# Altium PCB TimeCard-DC-V1.PcbDoc (part 3 of 3)
Units mil, origin at the board's own origin, x right, y up, seen from the top; angles counter-clockwise.
Board outline 7087.6 x 4375.98 mil, 6 copper layers (TOP, SGND, IN1, IN2, SGND1, BOTTOM), stack 47.2 mil thick; 120 components, 111 nets, 769 pads, 335 vias.
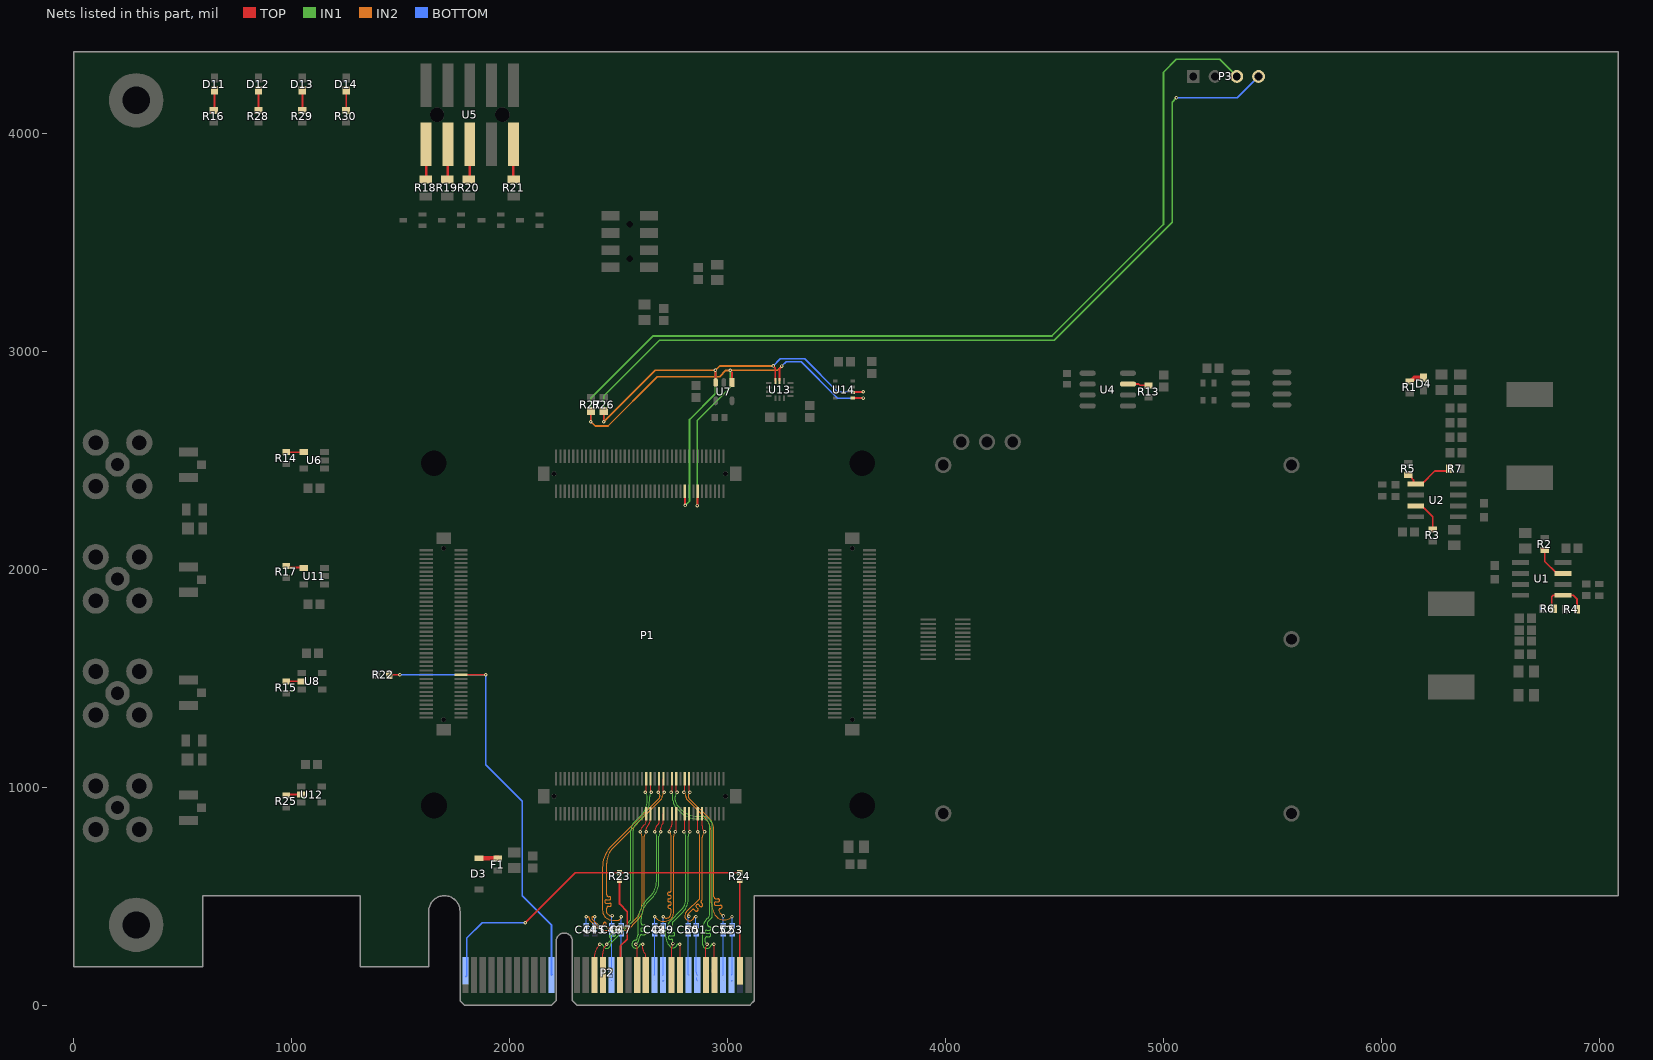
[diagram p7: the nets of this part, all layers, seen from the top]

## Via types
v1: diameter 16, hole 8, TOP to BOTTOM, tented both sides, 328 vias
v2: diameter 200, hole 122, TOP to BOTTOM, 4 vias
v3: diameter 32, hole 16, TOP to BOTTOM, tented both sides, 2 vias
v4: diameter 50, hole 28, TOP to BOTTOM, 1 vias

## Nets (pads, with @x,y where several pads share a name; then routed paths per layer and width w, separated by ;. In a path a pad name is that pad's centre, name@x,y a point inside that pad or via, vN(x,y) a via of type N, cw(c..) or ccw(c..) an arc to the next point about the centre after c; other vN are vias at no path point) (continued)
NetC46_1: C46.1 P2.A16 | length 196
  BOTTOM w5: P2.A16@2466.54,137.8 ccw(c2460.96,143.37) 2468.84,143.37 C46.1@2468.84,329.13 ; P2.A16@2467.33,111.07 ccw(c2463.65,114.73) P2.A16@2468.84,114.73
NetC47_1: C47.1 P2.A17 | length 192.9
  BOTTOM w5: P2.A17@2505.91,137.8 ccw(c2491.57,152.13) 2511.84,152.13 C47.1@2511.84,329.13
NetC48_1: C48.1 P2.A21 | length 193.5
  BOTTOM w5: P2.A21@2663.39,137.8 ccw(c2659.87,141.31) 2664.84,141.31 C48.1@2664.84,329.13 ; P2.A21@2664.17,111.06 ccw(c2662.55,112.68) P2.A21@2664.84,112.68
NetC49_1: C49.1 P2.A22 | length 197.2
  BOTTOM w5: P2.A22@2702.76,137.8 ccw(c2697.72,142.83) 2704.84,142.83 C49.1@2704.84,329.13 ; P2.A22@2703.54,111.06 ccw(c2700.4,114.2) P2.A22@2704.84,114.2
  BOTTOM w8: P2.A22@2703.54,111.06 P2.A22@2704.84,112.36
NetC50_1: C50.1 P2.A25 | length 196.5
  BOTTOM w5: P2.A25@2820.87,137.8 cw(c2823.33,140.26) 2819.84,140.26 C50.1@2819.84,329.13 cw(c2815.47,324.76) C50.1@2821.65,324.76
NetC51_1: C51.1 P2.A26 | length 209.4
  BOTTOM w5: P2.A26@2854.84,125.98 ccw(c2875.94,125.98) P2.A26@2861,111.08 ; C51.1@2854.84,329.13 2854.84,150.81 ccw(c2873.25,150.81) P2.A26@2860.24,137.8
NetC52_1: C52.1 P2.A29 | length 195.5
  BOTTOM w5: P2.A29@2978.35,137.8 ccw(c2974.73,141.41) 2979.84,141.41 C52.1@2979.84,329.13 ccw(c2981.56,327.42) C52.1@2979.13,327.42 ; P2.A29@2979.13,111.06 ccw(c2977.42,112.78) P2.A29@2979.84,112.78
NetC53_1: C53.1 P2.A30 | length 197.4
  BOTTOM w5: P2.A30@3017.72,137.8 ccw(c3012.58,142.93) 3019.84,142.93 C53.1@3019.84,329.13 ccw(c3023.08,325.9) C53.1@3018.5,325.9
  BOTTOM w8: P2.A30@3018.5,111.06 P2.A30@3019.84,112.4
NetD3_1: D3.1 F1.1 | length 103.7
  TOP w20: D3.1@1858.27,674.21 1859.15,673.33 F1.1@1938.48,673.33 ; F1.1@1944.88,672.44 1944,673.33 F1.1@1938.48,673.33 ; F1.1@1946.88,676.61 1935.2,676.61 F1.1@1938.48,673.33
NetD4_1: D4.1 R1.2 | length 70.8
  TOP w20: R1.2@6129.92,2861.81 6135.43,2861.81 6139.61,2865.98 6139.61,2867.22 6151.32,2878.94 D4.1@6192.91,2878.94
NetD11_1: D11.1 R16.2 | length 106.7
  TOP w8: R16.2@638.97,4093.23 644.84,4099.1 D11.1@644.84,4197.52
NetD12_1: D12.1 R28.2 | length 101.7
  TOP w8: R28.2@840.64,4093.23 846.51,4099.1 D12.1@846.51,4192.52
NetD13_1: D13.1 R29.2 | length 101.7
  TOP w8: R29.2@1042.3,4093.23 1048.18,4099.1 D13.1@1048.18,4192.52
NetD14_1: D14.1 R30.2 | length 101.7
  TOP w8: R30.2@1243.97,4093.23 1249.84,4099.1 D14.1@1249.84,4192.52
NetP2_B17: P2.B17 R23.2 | length 464.6
  TOP w8: R23.2@2503.94,573.82 2503.94,464.57 2539.37,429.13 2539.37,303.15 2507.87,271.65 2507.87,139.76 P2.B17@2505.91,137.8
NetP2_B31: P2.B31 R24.2 | length 422.9
  TOP w8: R24.2@3053.15,571.85 R24.2@3055.12,573.82 3055.12,159.26 P2.B31@3057.09,157.3 ; P2.B31@3057.87,130.56 P2.B31@3059.84,132.53
NetR2_1: R2.1 U1.7 | length 158.1
  TOP w8: R2.1@6749.84,2088.9 6749.84,2035.94 6804.72,1981.06 U1.7@6832.28,1981.06
NetR3_1: R3.1 U2.7 | length 156.1
  TOP w8: U2.7@6157.4,2291.06 6184.96,2291.06 6234.84,2241.18 R3.1@6234.84,2183.23
NetR4_2: R4.2 R6.2 U1.5 | length 259.2
  TOP w8: R6.2@6782.01,1816.06 6782.01,1818.9 6782.01,1874.53 6788.54,1881.06 U1.5@6804.72,1881.06 ; R4.2@6897.01,1816.06 6897.01,1864.8 6880.75,1881.06 U1.5@6832.28,1881.06 ; U1.5@6804.72,1881.06 U1.5@6832.28,1881.06 ; U1.5@6804.72,1881.06 U1.5@6832.28,1881.06
NetR5_1: R5.1 R7.2 U2.5 | length 242.3
  TOP w8: R5.1@6122.84,2433.9 6128.35,2433.9 6138.53,2423.72 6138.53,2418.21 6147.14,2409.6 6147.14,2398.28 6154.36,2391.06 U2.5@6157.4,2391.06 6184.96,2391.06 6244.96,2451.06 R7.2@6312.68,2451.06
NetR13_1: R13.1 U4.7 | length 97.5
  TOP w8: U4.7@4836.61,2849.8 4886.42,2849.8 4891.73,2844.49 4929.13,2844.49 R13.1@4931.1,2842.52
NetR14_1: R14.1 U6.4 | length 80.7
  TOP w8: R14.1@974.41,2537.4 U6.4@1055.12,2537.4
NetR15_1: R15.1 U8.2 | length 71.7
  TOP w8: R15.1@974.41,1474.41 R15.1@974.41,1474.47 ; R15.1@974.41,1484.25 976.38,1486.22 U8.2@1045.28,1486.22
NetR17_1: R17.1 U11.4 | length 84.8
  TOP w8: R17.1@974.41,2015.75 982.28,2007.87 1053.15,2007.87 U11.4@1055.12,2005.91
NetR18_2: R18.2 U5.1 | length 162.5
  TOP w12: R18.2@1614.17,3789.37 1616.1,3791.3 U5.1@1616.1,3951.06
NetR19_2: R19.2 U5.3 | length 163.1
  TOP w12: R19.2@1712.6,3789.37 1716.1,3792.87 U5.3@1716.1,3951.06
NetR20_2: R20.2 U5.5 | length 163.8
  TOP w12: R20.2@1811.02,3789.37 1816.1,3794.45 U5.5@1816.1,3951.06
NetR21_2: R21.2 U5.9 | length 169.4
  TOP w8: U5.9@2016.1,3951.06 U5.9@2021.1,3946.06
  TOP w12: U5.9@2016.1,3951.06 2016.1,3790.98 R21.2@2017.72,3789.37
NetR25_1: R25.1 U12.2 | length 70.5
  TOP w8: R25.1@974.41,962.6 978.35,966.54 U12.2@1043.31,966.54
PCIE_CLK_N: C45.2 P1.D-38 | length 825.7
  TOP w5: v1(2598.43,795.28) cw(c2626.94,795.28) 2606.78,815.44 2618.11,826.77 ccw(c2598.16,846.72) 2626.37,846.72 P1.D-38@2626.37,878.87
  IN2 w5: v1(2389.76,405.51) cw(c2388.16,407.12) 2388.16,404.85 2380.58,404.85 ccw(c2380.58,399.85) 2377.04,403.38 ccw(c2380.58,399.85) 2375.58,399.85 ccw(c2380.58,399.85) 2377.04,396.31 2397.3,376.05 ccw(c2449.75,428.5) 2409.45,366.23 ccw(c2449.75,428.5) 2411.95,364.68 2419.07,362.73 ccw(c2421.05,369.97) 2428.55,369.97 2428.55,372.22 cw(c2436.05,372.22) 2443.55,372.22 2443.55,361.75 ccw(c2451.05,361.75) 2449.07,354.52 2449.75,354.33 2460.63,354.33 2468.55,354.33 2535.43,354.33 2577.42,396.31 ccw(c2506.7,467.02) 2606.7,467.02 2606.7,775.14 ccw(c2578.44,775.14) 2598.43,795.13 v1(2598.43,795.28)
  BOTTOM w5: v1(2389.76,405.51) 2389.76,363.07 C45.2@2389.84,362.99
PCIE_CLK_P: C44.2 P1.D-36 | length 828.6
  TOP w5: v1(2625.98,795.28) 2625.98,809.39 cw(c2639.43,809.39) 2629.92,818.9 ccw(c2590.98,857.84) 2646.05,857.84 P1.D-36@2646.05,878.87
  IN2 w5: v1(2350.39,405.51) ccw(c2352,407.12) 2352,404.85 2359.58,404.85 cw(c2359.58,399.85) 2363.11,403.38 cw(c2359.58,399.85) 2364.58,399.85 2364.58,397.57 ccw(c2375.08,397.57) 2367.65,390.15 2389.63,368.17 ccw(c2449.59,428.12) 2449.59,343.33 2535.48,343.33 ccw(c2535.48,354.21) 2543.18,346.52 2585.23,388.57 ccw(c2506.84,466.97) 2617.7,466.97 2617.7,775.14 cw(c2645.97,775.14) 2625.98,795.13 v1(2625.98,795.28)
  BOTTOM w5: C44.2@2349.84,362.99 ccw(c2348.51,364.32) 2350.39,364.32 v1(2350.39,405.51)
PCIE_PERST: P1.C-21 P2.A11 R22.1 | length 2064.5
  TOP w8: R22.1@1446.85,1515.75 v1(1496.06,1515.75) ; P1.C-21@1776.55,1516.52 1776.85,1516.23 1889.29,1516.23 v1(1889.45,1516.07)
  BOTTOM w8: v1(1496.06,1515.75) 1496.38,1516.06 v1(1889.45,1516.07) 1889.45,1102.68 2057.09,935.04 2057.09,501.97 2190.95,368.11 P2.A11@2190.95,137.8 P2.A11@2194.88,141.73
PCIE_RX0_N: P1.D-37 P2.B15 | length 1072
  TOP w5: P2.B15@2418.84,133.06 ccw(c2449.95,133.06) P2.B15@2427.95,111.06 ; P2.B15@2427.17,137.8 2427.17,236.76 cw(c2487.65,236.76) v1(2444.88,279.53) ; v1(2622.05,976.38) ccw(c2622.05,980.7) 2626.37,980.7 P1.D-37@2626.37,1038.31
  IN1 w5: v1(2444.88,279.53) 2460.63,295.28 2462.4,297.04 ccw(c2457.09,302.35) 2462.4,307.65 2459.1,310.95 cw(c2464.41,316.25) 2459.1,321.55 cw(c2464.41,316.25) 2469.71,321.55 2473,318.26 ccw(c2478.31,323.56) 2483.61,318.26 ccw(c2478.31,323.56) 2483.61,328.86 2481.14,331.33 cw(c2486.45,336.64) 2481.14,341.94 cw(c2486.45,336.64) 2491.75,341.94 2494.22,339.47 ccw(c2499.52,344.77) 2504.82,339.47 ccw(c2499.52,344.77) 2504.82,350.08 cw(c2510.13,355.38) 2504.82,360.68 cw(c2510.13,355.38) 2515.43,360.68 ccw(c2520.73,365.99) 2526.04,360.68 2543.59,378.24 2553.72,388.36 ccw(c2548.38,393.7) 2555.93,393.7 2555.93,802.55 cw(c2606.86,802.55) 2570.85,838.56 2601.04,868.75 ccw(c2530.33,939.46) 2630.33,939.46 2630.33,956.24 ccw(c2602.06,956.24) 2622.05,976.23 v1(2622.05,976.38)
PCIE_RX0_P: P1.D-35 P2.B14 | length 1047.6
  TOP w5: P2.B14@2387.8,137.8 2387.8,217.75 cw(c2475.17,217.75) v1(2413.39,279.53) ; P1.D-35@2646.05,1038.31 2646.05,979.93 ccw(c2649.61,979.93) v1(2649.61,976.38)
  IN1 w5: v1(2413.39,279.53) 2421.89,279.53 cw(c2421.92,274.53) 2426.81,275.59 ccw(c2444.88,279.53) 2463.3,281.25 cw(c2468.28,281.71) 2464.73,285.24 2563.39,383.89 ccw(c2554.48,392.78) 2566.93,390.94 2566.93,802.55 cw(c2606.93,802.52) 2578.64,830.8 2608.85,861.01 ccw(c2530.46,939.41) 2641.33,939.41 2641.33,956.24 cw(c2669.59,956.24) 2649.61,976.23 v1(2649.61,976.38)
PCIE_RX1_N: P1.D-32 P2.B20 | length 892.1
  TOP w5: v1(2610.24,279.53) 2610.24,259.17 ccw(c2637.12,259.17) 2618.11,240.16 cw(c2603.85,225.9) 2624.02,225.9 P2.B20@2624.02,137.8 ; P2.B20@2612.84,139.94 ccw(c2653.68,139.94) P2.B20@2624.8,111.06 ; v1(2665.35,795.28) cw(c2712.88,795.28) 2679.26,828.87 ; 2679.27,828.88 2681.1,830.71 ccw(c2670.67,841.14) 2685.42,841.14 P1.D-32@2685.42,878.87
  IN1 w5: v1(2610.24,279.53) 2604.64,279.53 ccw(c2604.64,264.73) 2600.06,278.8 ccw(c2601.59,274.04) 2596.74,275.27 2596.72,275.19 cw(c2578.74,279.53) 2577.23,297.97 ccw(c2576.82,302.95) 2581.16,300.46 cw(c2620.76,277.78) 2583.32,303.88 ccw(c2579.22,306.74) 2584.08,305.54 2587.93,320.74 cw(c2604.91,316.53) 2589.47,324.77 ccw(c2585.06,327.12) 2590.06,327.12 2590.06,404.43 cw(c2595.06,404.43) 2590.08,404.83 cw(c2697.82,396.31) 2608.51,457.17 cw(c2699.5,406.62) 2625.9,480.23 2644.34,498.68 ccw(c2573.63,569.39) 2673.63,569.39 2673.63,775.14 ccw(c2645.37,775.14) 2665.35,795.13 v1(2665.35,795.28)
PCIE_RX1_P: P1.D-30 P2.B19 | length 879.8
  TOP w5: P2.B19@2575.84,134.22 ccw(c2608.58,134.22) P2.B19@2585.43,111.06 ; v1(2578.74,279.53) cw(c2564.48,265.27) 2584.65,265.27 P2.B19@2584.65,137.8 ; v1(2692.91,795.28) 2692.91,811.7 cw(c2719.8,811.7) 2700.79,830.71 ccw(c2690.35,841.15) 2705.11,841.15 P1.D-30@2705.11,878.87
  IN1 w5: v1(2578.74,279.53) ccw(c2521.71,336.56) 2591,295.28 ccw(c2521.71,336.56) 2592.43,297.78 2597.64,318.37 cw(c2604.91,316.53) 2604.91,324.03 2619.73,324.03 ccw(c2619.73,331.53) 2619.73,339.03 2607.56,339.03 cw(c2607.56,346.53) 2607.56,354.03 2616.09,354.03 ccw(c2616.09,361.53) 2616.09,369.03 2609.86,369.03 cw(c2609.86,376.53) 2602.36,376.53 2602.36,387.26 2602.36,389.76 2602.36,396.82 cw(c2709.57,396.73) 2633.76,472.54 2652.16,490.94 ccw(c2573.77,569.33) 2684.63,569.33 2684.63,775.14 cw(c2712.9,775.14) 2692.91,795.13 v1(2692.91,795.28)
PCIE_RX2_N: P1.D-20 P2.B24 | length 874.3
  TOP w5: P2.B24@2772.84,133.85 ccw(c2805.07,133.85) 2782.28,111.06 cw(c2783.34,112.13) P2.B24@2781.84,112.13 ; v1(2779.53,279.53) cw(c2774.78,274.78) 2781.5,274.78 P2.B24@2781.5,137.8 ; v1(2799.21,795.28) ccw(c2788.78,805.7) 2803.53,805.7 P1.D-20@2803.53,878.87
  IN1 w5: 2737.42,267.41 cw(c2799.54,327.61) 2713.04,327.55 cw(c2797.85,327.51) 2737.9,387.51 2787.4,437.01 ccw(c2738.9,485.51) 2807.49,485.51 2807.49,775.14 ccw(c2779.22,775.14) 2799.21,795.13 v1(2799.21,795.28) ; 2737.44,267.39 ccw(c2749.57,279.19) 2766.11,275.59 cw(c2770.99,274.53) 2771.03,279.53 v1(2779.53,279.53)
PCIE_RX2_P: P1.D-18 P2.B23 | length 859.3
  TOP w5: P2.B23@2740.84,113.13 2742.91,111.06 P2.B23@2745.84,113.99 ; P2.B23@2742.13,137.8 2742.13,265.27 cw(c2762.29,265.27) v1@2746.86,278.25 ; v1@2746.88,278.27 ccw(c2743.03,281.47) 2747.7,279.68 2748.36,281.41 cw(c2753.03,279.62) 2748.71,282.14 v1(2748.82,282.31) ; P1.D-18@2823.22,878.87 2823.22,803.84 ccw(c2835.34,803.84) v1(2826.77,795.28)
  IN1 w5: v1(2748.82,282.31) cw(c2753.03,285) 2748.03,285.01 2748.04,289.37 2748.04,291.87 2748.04,295.61 ccw(c2740.54,295.62) 2740.54,303.12 2733.91,303.12 cw(c2733.91,310.62) 2733.91,318.12 2750.55,318.12 ccw(c2750.55,325.62) 2750.55,333.12 2733.93,333.12 cw(c2733.93,340.62) 2733.93,348.12 2740.56,348.12 ccw(c2740.56,355.62) 2748.06,355.61 2748.07,377.55 2748.07,380.05 cw(c2753.07,380.05) 2749.54,383.59 2795.21,429.26 ccw(c2739.02,485.46) 2818.49,485.46 2818.49,775.14 cw(c2846.76,775.14) 2826.77,795.13 v1(2826.77,795.28)
PCIE_RX3_N: P1.D-25 P2.B28 | length 1133.8
  TOP w5: v1(2740.16,976.38) ccw(c2740.16,980.7) 2744.48,980.7 P1.D-25@2744.48,1038.31 ; P2.B28@2931.84,118.98 P2.B28@2939.76,111.06 ; v1(2937.01,279.53) cw(c2932.26,274.78) 2938.98,274.78 P2.B28@2938.98,137.8
  TOP w8: P2.B28@2928.98,161.94 ccw(c2963.12,161.94) P2.B28@2938.98,137.8
  IN1 w5: v1(2740.16,976.38) 2740.16,976.23 cw(c2720.17,956.24) 2748.44,956.24 2748.44,940.89 ccw(c2796.35,940.89) 2762.47,907.01 2781.86,887.63 ccw(c2860.28,966.05) 2860.28,855.14 2881.89,855.14 cw(c2881.89,819.08) 2907.39,844.58 cw(c2883.41,820.6) 2917.32,820.6 2917.32,419.2 2917.32,419.13 cw(c2882.98,419.22) 2912.71,402.03 cw(c2908.38,404.53) 2911.19,400.39 2911.14,400.36 ccw(c2943.67,352.53) 2885.83,352.6 ; 2885.83,352.55 2885.83,276.14 ccw(c2890.83,276.14) 2885.98,274.9 ccw(c2904.7,279.68) 2923.57,275.59 cw(c2928.46,274.53) 2928.49,279.53 v1(2937.01,279.53)
PCIE_RX3_P: P1.D-23 P2.B27 | length 1106.4
  TOP w5: P1.D-23@2764.16,1038.31 2764.16,979.93 ccw(c2767.72,979.93) v1(2767.72,976.38) ; P2.B27@2899.61,137.8 2899.61,265.27 cw(c2919.77,265.27) v1(2905.49,279.51) ; P2.B27@2900.39,111.06 P2.B27@2907.84,118.51
  IN1 w5: v1(2767.72,976.38) 2767.72,976.23 ccw(c2787.7,956.24) 2759.44,956.24 2759.44,940.94 ccw(c2796.48,940.94) 2770.29,914.75 2789.61,895.43 ccw(c2860.32,966.14) 2860.32,866.14 2881.94,866.14 cw(c2881.94,819.2) 2915.13,852.39 2925.1,842.42 cw(c2917.32,834.65) 2928.32,834.65 2928.32,404.5 cw(c2923.32,404.5) 2926.85,400.95 2926.43,400.53 2923.93,398.03 2910.58,384.69 2909.12,381.15 2909.12,366.94 ccw(c2916.62,366.94) 2916.62,359.44 cw(c2916.62,351.94) 2916.62,344.44 2903.33,344.44 ccw(c2903.33,336.94) 2903.33,329.44 2915.01,329.44 cw(c2915.01,321.94) 2915.01,314.44 2905.14,314.44 ccw(c2905.14,306.94) 2897.64,306.94 2897.64,291.94 2897.64,289.44 ccw(c2902.64,289.44) 2899.1,285.9 v1(2905.49,279.51)
PCIE_TX0_N: C47.2 P1.D-31 | length 873.7
  TOP w5: v1(2681.1,976.38) ccw(c2681.1,980.7) 2685.42,980.7 P1.D-31@2685.42,1038.31
  IN2 w5: 2478.24,390.21 2471.73,390.21 cw(c2471.73,436.75) 2425.2,436.75 2425.2,630.8 cw(c2565.72,630.77) 2466.35,730.13 2466.39,730.17 2476.38,740.16 2684.15,947.93 ccw(c2671.53,960.56) 2689.38,960.56 ccw(c2671.53,960.56) 2684.15,973.18 2681.1,976.23 v1(2681.1,976.38) ; 2478.28,390.21 2496.51,390.21 ccw(c2496.51,405.51) v1(2511.81,405.51)
  BOTTOM w5: C47.2@2511.81,363.02 v1(2511.81,405.51)
PCIE_TX0_P: C46.2 P1.D-29 | length 874.1
  TOP w5: P1.D-29@2705.11,1038.31 2705.11,979.93 ccw(c2708.66,979.93) v1(2708.66,976.38)
  IN2 w5: v1(2469.88,410.99) 2469.64,410.9 cw(c2464.35,427.3) 2453.16,414.19 2446.8,419.62 cw(c2450.2,423.71) 2444.88,423.76 2444.88,428.15 2444.88,445.65 cw(c2452.38,445.65) 2452.38,453.15 2458.83,453.15 ccw(c2458.83,460.65) 2458.83,468.15 2442.7,468.15 cw(c2442.7,475.65) 2442.7,483.15 2456.73,483.15 ccw(c2456.73,490.65) 2456.73,498.15 2452.38,498.15 cw(c2452.38,505.65) 2444.88,505.65 2444.88,562.01 2444.88,651.68 cw(c2544.88,651.68) 2474.17,722.39 2484.16,732.38 2693.54,941.77 ccw(c2677.03,958.28) 2700.38,958.28 cw(c2723.73,958.28) 2707.22,974.79 2708.66,976.23 v1(2708.66,976.38)
  BOTTOM w5: C46.2@2468.84,362.99 2468.5,363.33 2468.5,405.01 2468.53,407.62 cw(c2473.53,407.57) v1(2469.88,410.99) v1(2469.88,410.99)
PCIE_TX1_N: C49.2 P1.D-26 | length 616
  TOP w5: v1(2732.28,795.28) v1@2732.28,799.69 ; v1@2732.28,799.72 cw(c2759.58,799.72) 2740.28,819.02 ccw(c2730.13,829.17) 2744.48,829.17 P1.D-26@2744.48,878.87
  IN2 w5: v1(2704.72,405.51) ccw(c2719.1,420.06) 2734.06,406.11 ccw(c2719.1,420.06) 2735.36,407.65 ; v1(2732.28,795.28) 2732.28,795.13 cw(c2712.29,775.14) 2740.56,775.14 2740.56,543.45 2740.56,525.95 cw(c2733.06,525.95) 2733.06,518.45 2731.04,518.45 ccw(c2731.04,510.95) 2731.04,503.45 2734.06,503.45 cw(c2734.06,495.95) 2734.06,488.45 2732.22,488.45 ccw(c2732.22,480.95) 2732.22,473.45 2734.06,473.45 cw(c2734.06,465.95) 2734.06,458.45 2733.06,458.45 ccw(c2733.06,450.95) 2733.06,443.45 cw(c2733.06,435.95) 2740.56,435.95 2740.56,423.19 2736.05,408.61 cw(c2714.76,423.19) 2735.37,407.67
  BOTTOM w5: v1(2704.72,405.51) 2704.72,363.11 C49.2@2704.84,362.99
PCIE_TX1_P: C48.2 P1.D-24 | length 616.1
  TOP w5: v1(2759.84,795.28) ccw(c2749.41,805.7) 2764.16,805.7 P1.D-24@2764.16,878.87
  IN2 w5: v1(2665.35,405.51) 2671.5,399.36 ccw(c2707.67,435.44) 2735.09,392.34 ccw(c2715.99,422.35) 2751.56,422.35 ; 2751.56,422.4 2751.56,775.14 cw(c2779.83,775.14) 2759.84,795.13 v1(2759.84,795.28)
  BOTTOM w5: C48.2@2664.84,362.99 ccw(c2663.61,364.23) 2665.35,364.23 v1(2665.35,405.51)
PCIE_TX2_N: C51.2 P1.D-14 | length 614.9
  TOP w5: v1(2862.2,795.28) ccw(c2861.27,796.21) 2862.59,796.21 P1.D-14@2862.59,878.87
  IN2 w5: 2803.37,407.56 cw(c2833.1,409.1) 2811.93,430.04 2870.98,489.09 ccw(c2867.45,492.63) 2872.45,492.63 2872.45,770.53 ccw(c2837.46,770.53) v1(2862.2,795.28) ; 2803.37,407.52 ccw(c2825.13,408.85) 2809.69,393.46 ; 2809.72,393.43 ccw(c2825.34,409.29) 2840.51,393 ccw(c2837.11,396.67) 2842.11,396.67 2842.11,397.51 cw(c2848.02,397.51) 2843.84,401.68 cw(c2848.02,397.51) 2848.02,403.41 2849.25,403.41 ccw(c2849.25,410.59) v1(2854.33,405.51)
  BOTTOM w5: v1(2854.33,405.51) 2854.33,364.23 ccw(c2856.08,364.23) C51.2@2854.84,362.99
PCIE_TX2_P: C50.2 P1.D-12 | length 618.8
  TOP w5: P1.D-12@2882.27,878.87 2882.27,822.87 ccw(c2921.29,822.87) v1(2893.7,795.28)
  IN2 w5: v1(2821.98,407.85) 2821.78,407.85 2821.68,407.76 2819.75,407.76 2818.51,406.52 2816.64,411.31 2816.32,412.12 2817.44,417.47 2836.89,436.92 cw(c2842.2,431.62) 2847.5,436.92 2851.52,432.9 ccw(c2856.82,438.21) 2862.13,432.9 ccw(c2856.82,438.2) 2862.13,443.51 2856.14,449.5 cw(c2861.44,454.8) 2856.14,460.11 cw(c2861.44,454.8) 2866.74,460.11 2872.73,454.11 ccw(c2878.04,459.42) 2883.34,454.11 ccw(c2878.04,459.42) 2883.34,464.72 2879.32,468.74 cw(c2884.62,474.05) 2879.32,479.35 2881.09,481.12 2881.97,482 ; 2881.99,482.02 ccw(c2878.45,485.55) 2883.45,485.55 2883.45,509.18 2883.45,770.53 cw(c2918.44,770.53) v1(2893.7,795.28)
  BOTTOM w5: C50.2@2819.84,362.99 cw(c2822.12,365.27) 2818.9,365.27 2818.9,403.27 cw(c2823.9,403.23) v1(2821.98,407.85)
PCIE_TX3_N: C53.2 P1.D-19 | length 809
  TOP w5: v1(2799.21,976.38) ccw(c2799.21,980.7) 2803.53,980.7 2803.53,1038.31 P1.D-19@2803.84,1038
  IN2 w5: v1(2799.21,976.38) 2799.21,976.23 2800.65,974.79 cw(c2784.14,958.28) 2807.49,958.28 ccw(c2830.84,958.28) 2814.33,941.77 2895.91,860.19 cw(c2825.2,789.48) 2925.2,789.48 2925.2,470.02 ccw(c3025.94,469.83) 2953.48,399.84 ccw(c2957.08,403.31) 2953.61,399.71 2953.99,399.35 ccw(c2982.84,445.03) 2954.46,399.05 ccw(c2982.84,445.03) 2974.1,391.71 cw(c2973.29,386.77) 2974.81,391.54 ccw(c2980.46,409.15) 2983.72,390.94 cw(c2984.61,386.02) 2984.46,391.02 ccw(c2982.84,445.03) v1(3019.69,405.51)
  BOTTOM w5: v1(3019.69,405.51) 3019.69,363.15 C53.2@3019.84,362.99
PCIE_TX3_P: C52.2 P1.D-17 | length 810
  TOP w5: P1.D-17@2823.22,1038.31 2823.22,979.93 ccw(c2826.77,979.93) v1(2826.77,976.38)
  IN2 w5: v1(2826.77,976.38) 2826.77,976.23 2823.72,973.18 ccw(c2836.34,960.56) 2818.49,960.56 ccw(c2836.34,960.56) 2823.72,947.93 2917.32,854.33 cw(c2871.76,808.76) 2936.2,808.76 2936.2,498.39 2937.1,495.89 2938.02,493.34 ccw(c2945.07,495.89) 2945.07,488.39 2955.12,488.39 cw(c2955.12,480.89) 2955.12,473.39 2945.22,473.39 ccw(c2945.22,465.89) 2945.22,458.39 2966.74,458.39 cw(c2966.74,450.89) 2966.74,443.39 ccw(c2966.74,435.89) 2959.69,433.34 2962.9,424.43 2975.63,412.36 ccw(c3015.52,467.17) 2979.31,409.86 ccw(c3015.52,467.17) v1(2980.46,409.15)
  BOTTOM w5: C52.2@2979.84,362.99 ccw(c2978.7,364.13) 2980.31,364.13 2980.31,407.97 cw(c2985.31,407.97) 2980.39,408.85 v1(2980.46,409.15)
PRSNT: P2.A1 R23.1 R24.1 | length 1555.7
  TOP w8: v1(2070.87,377.95) 2300.2,607.28 R24.1@3055.12,607.28
  BOTTOM w8: P2.A1@1798.03,130.56 1802.96,135.49 1802.96,308.12 1872.79,377.95 v1(2070.87,377.95)
SCL: P1.B-67 P3.3 R27.1 U7.1 U13.13 U14.4 | length 6587.5
  TOP w8: v1(2372.05,2677.17) R27.1@2372.05,2726.38 ; v1(2860.24,2292.32) 2861.27,2293.36 2861.27,2357.76 P1.B-67@2862.19,2358.68 ; v1(3011.5,2913.07) 3011.5,2911.22 3019.69,2903.03 U7.1@3019.69,2856.94 ; U13.13@3238.19,2864.67 3238.19,2921.06 3248.03,2930.91 v1(3248.03,2932.76) ; U14.4@3573.82,2786.42 3574.06,2786.17 3621.31,2786.17 v1(3621.56,2785.93)
  IN1 w8: v1(2372.05,2677.17) 2372.05,2785.43 2657.48,3070.87 4488.19,3070.87 5000,3582.68 5000,4281.5 5059.06,4340.55 5257.48,4340.55 P3.3@5336.22,4261.81 ; v1(2860.24,2292.32) 2860.24,2683.07 3011.5,2834.33 v1(3011.5,2913.07)
  IN2 w8: v1(2372.05,2677.17) 2391.73,2657.48 2450.79,2657.48 2677.17,2883.86 2962.6,2883.86 2991.5,2912.76 3011.18,2912.76 v1(3011.5,2913.07) 3228.35,2913.07 v1(3248.03,2932.76)
  BOTTOM w8: v1(3248.03,2932.76) 3268.03,2952.76 3336.61,2952.76 3503.94,2785.43 3621.06,2785.43 v1(3621.56,2785.93)
SDA: P1.B-61 P3.4 R26.1 U7.3 U13.14 U14.3 | length 6396.5
  TOP w8: v1(2431.1,2677.48) R26.1@2431.1,2726.38 ; P1.B-61@2803.13,2358.68 2804.05,2357.76 2804.05,2294.37 v1(2805.12,2293.31) ; v1(2943.41,2912.89) 2944.14,2912.16 2944.14,2857.68 U7.3@2944.88,2856.94 ; v1(3208.66,2933.07) 3218.5,2923.23 U13.14@3218.5,2864.67 ; U14.3@3573.82,2812.01 3575.3,2813.48 3620.57,2813.48 v1(3622.05,2814.96)
  IN1 w8: v1(2431.1,2677.48) 2431.1,2795.28 2687.01,3051.18 4498.03,3051.18 5039.37,3592.52 5039.37,4143.7 v1(5059.06,4163.39) ; v1(2805.12,2293.31) 2824.8,2312.99 2824.8,2687.01 2943.41,2805.61 v1(2943.41,2912.89)
  IN2 w8: v1(2431.1,2677.48) 2431.42,2677.48 2666.83,2912.89 v1(2943.41,2912.89) 2963.58,2933.07 v1(3208.66,2933.07)
  BOTTOM w8: v1(3208.66,2933.07) 3241.35,2965.76 3353.14,2965.76 3503.94,2814.96 v1(3622.05,2814.96) ; v1(5059.06,4163.39) 5337.8,4163.39 P3.4@5436.22,4261.81
pads on no net: P1.A-11 P1.A-12 P1.A-13 P1.A-14 P1.A-15 P1.A-16 P1.A-17 P1.A-18 P1.A-21 P1.A-23 P1.A-24 P1.A-25 P1.A-26 P1.A-27 P1.A-28 P1.A-31 P1.A-33 P1.A-35 P1.A-36 P1.A-37 P1.A-38 P1.A-41 P1.A-42 P1.A-43 P1.A-45 P1.A-46 P1.A-47 P1.A-48 P1.A-51 P1.A-52 P1.A-53 P1.A-54 P1.A-55 P1.A-56 P1.A-57 P1.A-58 P1.A-61 P1.A-62 P1.A-63 P1.A-64 P1.A-65 P1.A-66 P1.A-68 P1.A-72 P1.A-74 P1.A-76 P1.A-78 P1.A-79 P1.A-80 P1.A-81 P1.A-82 P1.A-83 P1.A-84 P1.B-1 P1.B-2 P1.B-3 P1.B-4 P1.B-5 P1.B-6 P1.B-7 P1.B-12 P1.B-14 P1.B-15 P1.B-16 P1.B-17 P1.B-18 P1.B-22 P1.B-24 P1.B-31 P1.B-32 P1.B-34 P1.B-36 P1.B-38 P1.B-41 P1.B-42 P1.B-44 P1.B-45 P1.B-46 P1.B-48 P1.B-51 P1.B-52 P1.B-54 P1.B-55 P1.B-56 P1.B-57 P1.B-58 P1.B-62 P1.B-63 P1.B-64 P1.B-65 P1.B-66 P1.B-68 P1.B-71 P1.B-73 P1.B-75 P1.B-76 P1.B-77 P1.B-78 P1.B-81 P1.B-82 P1.B-83 P1.B-84 P1.C-1 P1.C-2 P1.C-3 P1.C-4 P1.C-5 P1.C-6 P1.C-7 P1.C-8 P1.C-11 P1.C-12 P1.C-13 P1.C-14 P1.C-15 P1.C-16 P1.C-17 P1.C-18 P1.C-22 P1.C-24 P1.C-25 P1.C-26 P1.C-27 P1.C-28 P1.C-31 P1.C-32 P1.C-33 P1.C-34 P1.C-35 P1.C-36 P1.C-37 P1.C-38 P1.C-41 P1.C-42 P1.C-43 P1.C-44 P1.C-45 P1.C-46 P1.C-47 P1.C-48 P1.C-51 P1.C-52 P1.C-53 P1.C-54 P1.C-55 P1.C-56 P1.C-57 P1.C-58 P1.C-61 P1.C-62 P1.C-63 P1.C-64 P1.C-65 P1.C-66 P1.C-67 P1.C-68 P1.C-71 P1.C-72 P1.C-73 P1.C-74 P1.C-75 P1.C-76 P1.C-81 P1.C-82 P1.C-83 P1.C-84 P1.D-1 P1.D-2 P1.D-3 P1.D-4 P1.D-5 P1.D-6 P1.D-7 P1.D-8 P1.D-11 P1.D-13 P1.D-16 P1.D-22 P1.D-28 P1.D-34 P1.D-41 P1.D-42 P1.D-43 P1.D-44 P1.D-45 P1.D-46 P1.D-47 P1.D-48 P1.D-51 P1.D-52 P1.D-53 P1.D-54 P1.D-55 P1.D-56 P1.D-57 P1.D-58 P1.D-61 P1.D-62 P1.D-63 P1.D-64 P1.D-65 P1.D-66 P1.D-67 P1.D-68 P1.D-71 P1.D-72 P1.D-73 P1.D-74 P1.D-75 P1.D-76 P1.D-77 P1.D-78 P1.D-79 P1.D-80 P1.D-81 P1.D-82 P1.D-83 P1.D-84 P1.MNT-1 P1.MNT-2 P1.MNT-3 P1.MNT-4 P2.A5 P2.A6 P2.A7 P2.A8 P2.A19 P2.A32 P2.B5 P2.B6 P2.B9 P2.B10 P2.B11 P2.B12 P2.B30 U4.3 U4.4 U4.6 U5. U5.7 U5.8 U9.0 U10.10 U10.11 U10.12 U10.13 U10.14 U10.16 U10.18 U13.4 U13.9 U13.10 U13.11
copper on no net:
  other v2: 2441.24,3173.03 4823.13,3173.03 2441.24,4196.65 4823.13,4196.65

## Polygon pours and split planes (outlines as drawn)
GND on TOP "GND_L01_P038" (solid, pour order 38): 5787.4,2677.17 3789.37,2677.17 3789.37,679.13 5787.4,679.13
+3.3V on TOP "+3.3V_L01_P034" (solid, pour order 34): 6684.86,2851.75 6684.86,3176.56 6617.93,3176.56 6617.93,2851.75
+5.0V on TOP "+5.0V_L01_P028" (solid, pour order 28): 6264.76,1470.47 5939.96,1470.47 5939.96,1403.54 6264.76,1403.54
+5.0V on TOP "TOP-+5.0V" (solid, pour order 26): 6942.91,1846.46 6722.44,1846.46 6663.39,1787.4 6663.39,1295.28 6726.38,1295.28 6942.91,1511.81
+3.3V on TOP "TOP-+3.3V" (solid, pour order 24): 6805.12,2968.5 6460.63,2968.5 6460.63,2781.5 6450.79,2771.65 6106.3,2771.65 6106.3,2476.38 6116.14,2486.22 6332.68,2486.22 6332.68,2683.07 6352.36,2702.76 6805.12,2702.76
+3.3V on IN2 "+3.3V_L04_P036" (solid, pour order 36): 6722.44,3100.39 6722.44,3917.32 6584.65,3917.32 6584.65,3100.39
+3.3V on IN2 "+3.3V_L04_P033" (solid, pour order 33): 6685.04,3917.32 6476.38,3917.32 2125.98,3917.32 2125.98,3700.79 2165.35,3661.42 6685.04,3661.42
+3.3V on IN2 "+3.3V_L04_P031" (solid, pour order 31): 541.34,4330.71 541.34,3444.88 2263.78,3444.88 2263.78,4330.71
+5.0V on IN2 "+5.0V_L04_P030" (solid, pour order 30): 5940.94,1468.5 5992.13,1468.5 5992.13,1405.51 5940.94,1405.51
+5.0V on IN2 "+5.0V_L04_P029" (solid, pour order 29): 3769.69,2125.98 3356.3,2125.98 3356.3,1968.5 3769.69,1968.5
GND on Top Solder "Top Solder-GND" (solid): 5787.4,2677.17 3789.37,2677.17 3789.37,679.13 5787.4,679.13
GND on SGND1 "GND_L05_P018" (solid, pour order 18): 576.92,184.13 576.92,508.13 1316.92,508.13 1316.92,184.13 1613.92,184.13 1613.92,466.13 1658.92,511.13 1730.92,511.13 1776.92,465.13 1776.92,17.13 1787.92,6.13 2185.92,6.13 2197.92,18.13 2197.92,310.13 2229.92,342.13 2257.92,342.13 2289.92,310.13 2289.92,17.13 2302.92,4.13 3095.92,4.13 3109.92,18.13 3109.92,505.13 7082.68,505.13 7082.68,4353.13 5.92,4353.13 2.92,4350.13 2.92,184.13
+12V on BOTTOM "+12V_L06_P037" (solid, pour order 37): 6811.02,2224.41 6181.1,2224.41 6181.1,1948.82 6811.02,1948.82
GND on SGND "GND_L02_P016" (solid, pour order 16): 581.84,188.06 581.84,512.06 1321.84,512.06 1321.84,188.06 1618.84,188.06 1618.84,470.06 1663.84,515.06 1735.84,515.06 1781.84,469.06 1781.84,21.06 1792.84,10.06 2190.84,10.06 2202.84,22.06 2202.84,314.06 2234.84,346.06 2262.84,346.06 2294.84,314.06 2294.84,21.06 2307.84,8.06 3100.84,8.06 3114.84,22.06 3114.84,509.06 7078.74,509.06 7078.74,4366.14 19.92,4366.14 7.84,4354.06 7.84,188.06

## Keep-outs
TOP:
  region: 0,175.18 590.55,175.18 ccw(c590.55,177.17) 592.53,177.17 592.53,499.98 1311.01,499.98 1311.01,312.99 ccw(c1312.99,312.99) 1312.99,311.01 1627.95,311.01 ccw(c1627.95,312.99) 1629.94,312.99 ccw(c1627.95,312.99) 1629.94,313.01 1629.94,430.12 cw(c1699.8,430.12) 1769.67,430.12 ccw(c1771.65,430.12) 1773.64,430.12 1773.64,541.34 ccw(c1771.65,541.34) 1771.65,543.32 0,543.32 ccw(c0,541.34) -1.98,541.34 -1.98,177.17 ccw(c0,177.17)
BOTTOM:
  region: 0,175.18 590.55,175.18 ccw(c590.55,177.17) 592.53,177.17 592.53,499.98 1311.01,499.98 1311.01,312.99 ccw(c1312.99,312.99) 1312.99,311.01 1627.95,311.01 ccw(c1627.95,312.99) 1629.94,312.99 ccw(c1627.95,312.99) 1629.94,313.01 1629.94,430.12 cw(c1699.8,430.12) 1769.67,430.12 ccw(c1771.65,430.12) 1773.64,430.12 1773.64,541.34 ccw(c1771.65,541.34) 1771.65,543.32 0,543.32 ccw(c0,541.34) -1.98,541.34 -1.98,177.17 ccw(c0,177.17)
Keep-Out Layer:
  rectangle: 1312.99,177.17 1627.95,312.99

## Other copper
TOP:
  rectangle net +12V: 2076.77,521.65 2175.2,649.61
  rectangle net +12V_PCIE: 1838.58,295.28 1877.95,543.31
  rectangle net +3.3V_PCIE: 2057.09,236.22 2167.52,303.15
  rectangle net +12V_PCIE: 1783.46,235.24 1888.78,303.15
  pour cut-out: 3915.77,879.92 ccw(c3988.88,879.92) 3988.88,806.81 ccw(c3988.88,879.92) 4061.98,879.92 ccw(c3988.88,879.92) 3988.88,953.03 ccw(c3988.88,879.92)
  pour cut-out: 5514.2,879.92 ccw(c5587.3,879.92) 5587.3,806.81 ccw(c5587.3,879.92) 5660.41,879.92 ccw(c5587.3,879.92) 5587.3,953.03 ccw(c5587.3,879.92)
  pour cut-out: 5514.2,1679.13 ccw(c5587.3,1679.13) 5587.3,1606.03 ccw(c5587.3,1679.13) 5660.41,1679.13 ccw(c5587.3,1679.13) 5587.3,1752.24 ccw(c5587.3,1679.13)
  pour cut-out: 5514.2,2478.35 ccw(c5587.3,2478.35) 5587.3,2405.24 ccw(c5587.3,2478.35) 5660.41,2478.35 ccw(c5587.3,2478.35) 5587.3,2551.45 ccw(c5587.3,2478.35)
  region: 237 vertices and 0 holes, not listed, extent 6485.92,828.8 6525.39,889.35
  region: 2340 vertices and 0 holes, not listed, extent 5825.83,559.57 5926.38,1177.5
  region: 239 vertices and 0 holes, not listed, extent 5948.55,837.99 5989.09,878.53
  region: 239 vertices and 0 holes, not listed, extent 5948.55,765 5989.09,805.55
  region: 235 vertices and 0 holes, not listed, extent 5948.55,692.02 5989.09,732.02
  region: 239 vertices and 0 holes, not listed, extent 5948.55,910.97 5989.09,951.52
  region: 6410.24,889.89 6410.24,889.35 6410.24,888.8 6410.24,888.26 6410.24,887.72 6410.24,887.18 6410.24,886.64 6410.24,886.1 6410.24,885.56 6410.24,885.02 6410.24,884.48 6410.24,883.94 6410.24,883.4 6410.24,882.86 6410.24,882.32 6410.24,881.78 6410.24,881.24 6410.24,880.7 6410.24,880.15 6410.24,879.61 6410.24,879.07 6410.24,878.53 6410.24,877.99 6410.24,877.45 6410.24,876.91 6410.24,876.37 6410.24,875.83 6410.24,875.29 6410.24,874.75 6410.24,874.21 6410.24,873.67 6410.24,873.13 6410.24,872.59 6410.24,872.05 6410.24,871.5 6410.24,870.96 6410.24,870.42 6410.24,869.88 6410.24,869.34 6410.24,868.8 6410.24,868.26 6410.24,867.72 6410.24,867.18 6410.24,866.64 6410.24,866.1 6410.24,865.56 6410.24,865.02 6410.24,864.48 6410.24,863.94 6410.24,863.4 6410.24,862.85 6410.24,862.31 6410.24,861.77 6369.69,861.77 6369.69,862.31 6369.69,862.85 6369.69,863.4 6369.69,863.94 6369.69,864.48 6369.69,865.02 6369.69,865.56 6369.69,866.1 6369.69,866.64 6369.69,867.18 6369.69,867.72 6369.69,868.26 6369.69,868.8 6369.69,869.34 6369.69,869.88 6369.69,870.42 6369.69,870.96 6369.69,871.5 6369.69,872.05 6369.69,872.59 6369.69,873.13 6369.69,873.67 6369.69,874.21 6369.69,874.75 6369.69,875.29 6369.69,875.83 6369.69,876.37 6369.69,876.91 6369.69,877.45 6369.69,877.99 6369.69,878.53 6369.69,879.07 6369.69,879.61 6369.69,880.15 6369.69,880.7 6369.69,881.24 6369.69,881.78 6369.69,882.32 6369.69,882.86 6369.69,883.4 6369.69,883.94 6369.69,884.48 6369.69,885.02 6369.69,885.56 6369.69,886.1 6369.69,886.64 6369.69,887.18 6369.69,887.72 6369.69,888.26 6369.69,888.8 6369.69,889.35 6369.69,889.89 6369.69,890.43 6410.24,890.43
  region: 3193 vertices and 11 holes, not listed, extent 5946.39,623.36 7010.87,1177.5
  region: 423 vertices and 0 holes, not listed, extent 6714.61,1106.67 6827.06,1177.5
  region: 426 vertices and 0 holes, not listed, extent 6875.71,824.47 6947.61,895.29
SGND:
  pour cut-out: 1765.75,-13.78 1765.75,225.39 3133.86,225.39 3133.86,-23.62
SGND1:
  pour cut-out: 1765.75,-13.78 1765.75,225.39 3133.86,225.39 3133.86,-23.62
BOTTOM:
  rectangle net +12V: 2076.77,521.65 2175.2,590.55
  rectangle net +3.3V_PCIE: 2093.7,234.57 2167.52,302.48
  rectangle net +12V_PCIE: 1814.96,235.24 1888.78,303.15

## Silkscreen, mask and mechanical layers (free items; w line width, h text height)
Bottom Overlay:
  rectangle: 5354.33,590.55 6744.09,807.09
  text "SN" at 7007.87,590.55 h150
Top Solder:
  rectangle: 1312.99,177.17 1627.95,312.99
  rectangle: 1769.68,-3.94 3124.02,226.38
Bottom Solder:
  rectangle: 1312.99,177.17 1627.95,312.99
  rectangle: 1769.68,-3.94 3124.02,226.38
Mechanical 1:
  lines w3.94: 1627.95,430.12 cw(c1699.8,430.12) 1771.65,430.12 ; 1627.95,430.12 cw(c1699.8,430.12) 1771.65,430.12 ; 1627.95,430.12 1627.95,177.17 1312.99,177.17 1312.99,501.97 590.55,501.97 590.55,177.17 0,177.17 0,4375.98 7087.6,4375.98 7087.6,501.97 3122.05,501.97 3122.05,19.69 3102.36,0 2307.09,0 2287.4,19.69 2287.4,293.31 ; 1771.65,430.12 1771.65,19.69 1791.34,0 2192.91,0 2212.6,19.69 2212.6,293.31 ; 2212.6,293.31 cw(c2250,293.31) 2287.4,293.31 ; 2212.6,293.31 cw(c2250,293.31) 2287.4,293.31
OUTLINE:
  lines w3.94: 1627.52,431.07 cw(c1699.37,431.07) 1771.22,431.07
ASSEMBLY_BOTTOM:
  text "U*" at 588,4193.58 h25

## Text inside footprints (layer, text, board x,y; h text height)
P1: Top Overlay "1" at 3543.04,2184.41 h60; Top Overlay "2" at 2068.04,2409.41 h60; Top Overlay "3" at 1668.04,2184.41 h60; Top Overlay "4" at 2068.04,934.41 h60